# Altium PCB jetson-nano-0928-12.PcbDoc (part 1 of 6)
Units mil, origin at the board's own origin, x right, y up, seen from the top; angles counter-clockwise.
Board outline 3946.89 x 2559.58 mil, 6 copper layers (TOP, L2_GND, L3_PWR, L4_SIG, L5_GND, BOTTOM), stack 47.2 mil thick; 344 components, 315 nets, 1402 pads, 1004 vias.
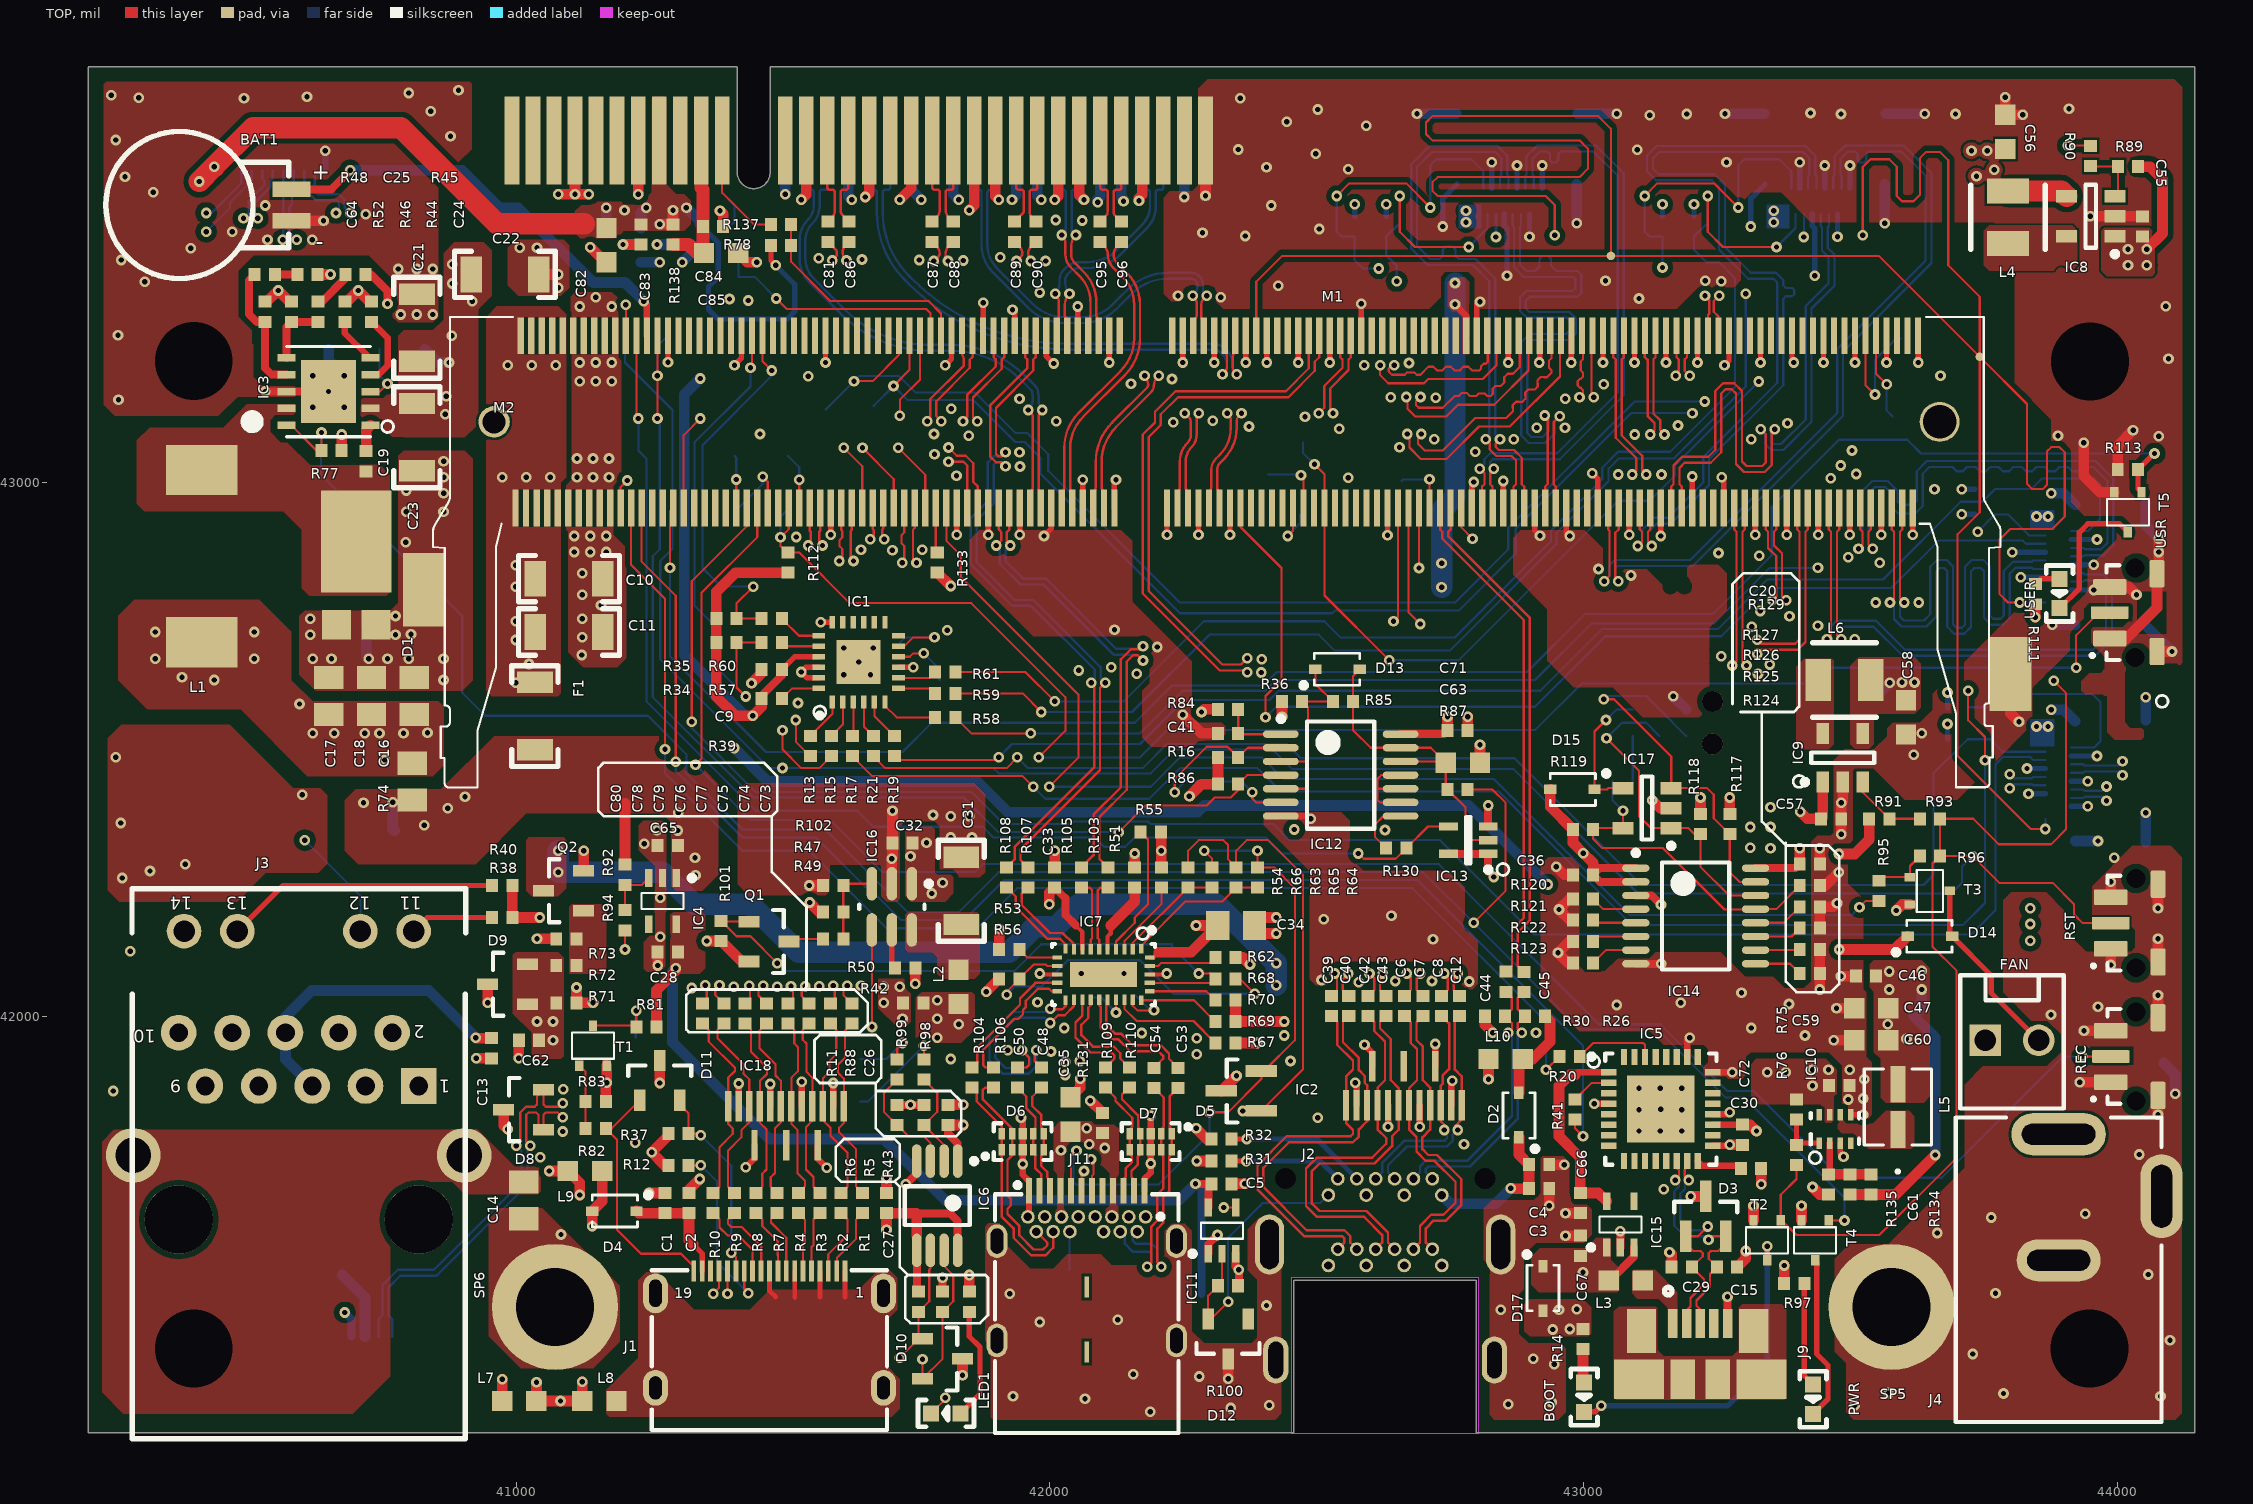
[diagram p0: TOP view]
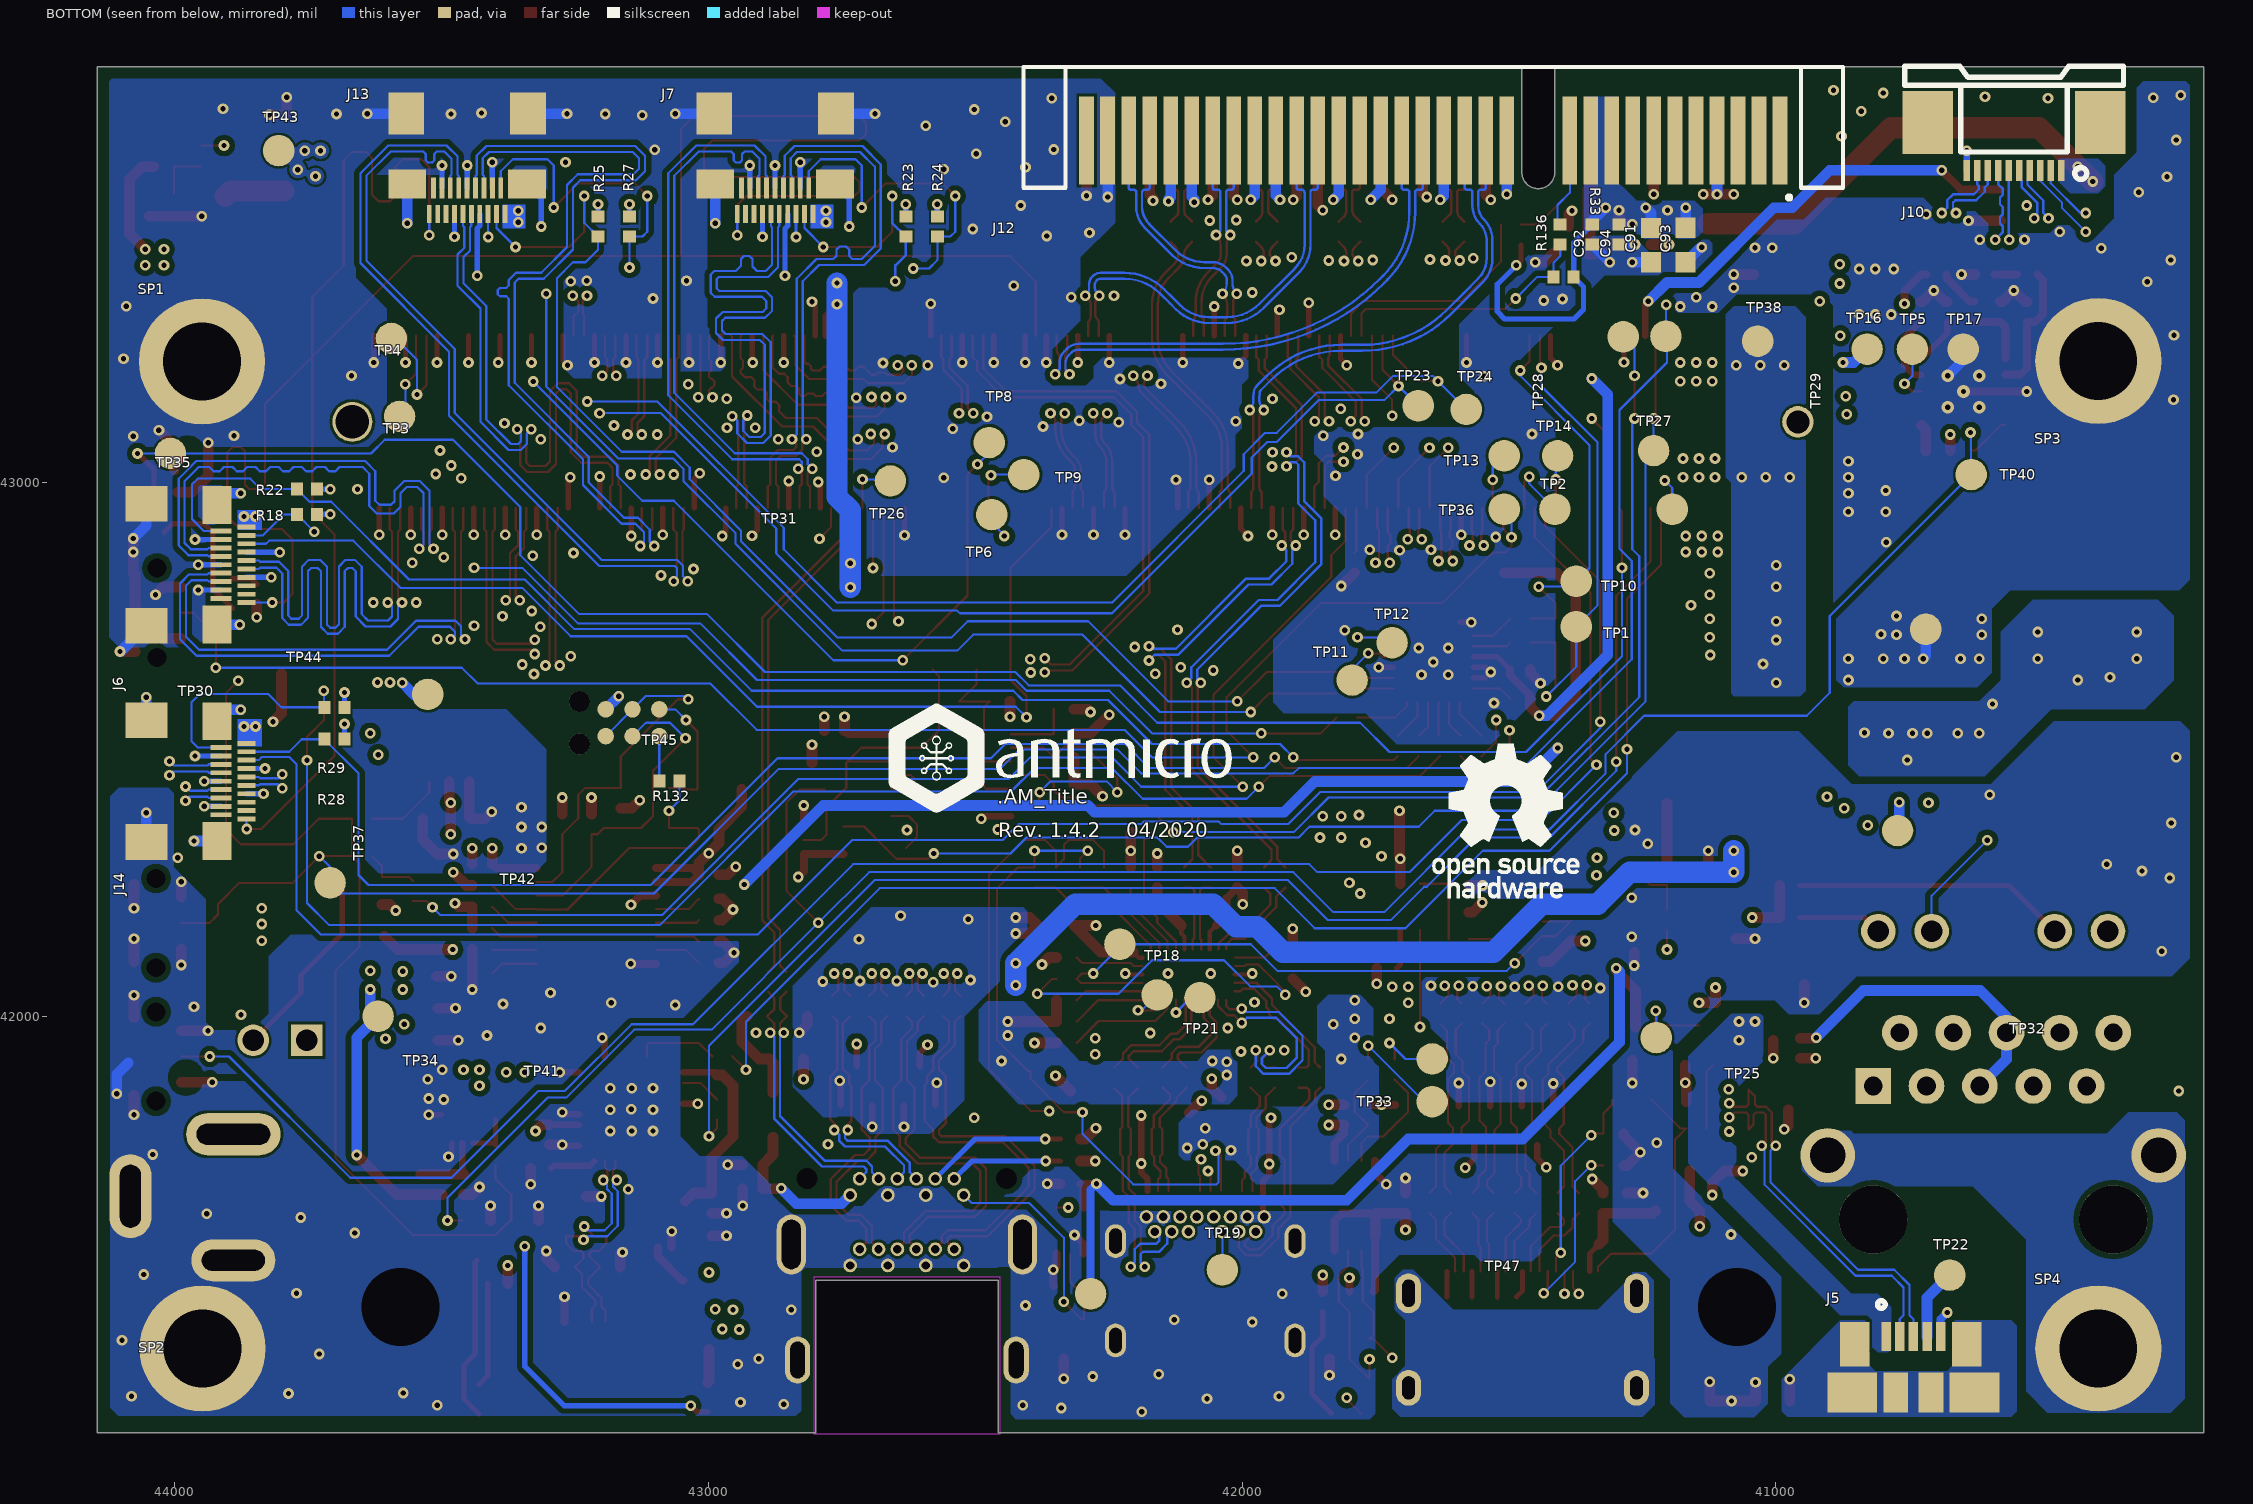
[diagram p1: BOTTOM view, seen from below]
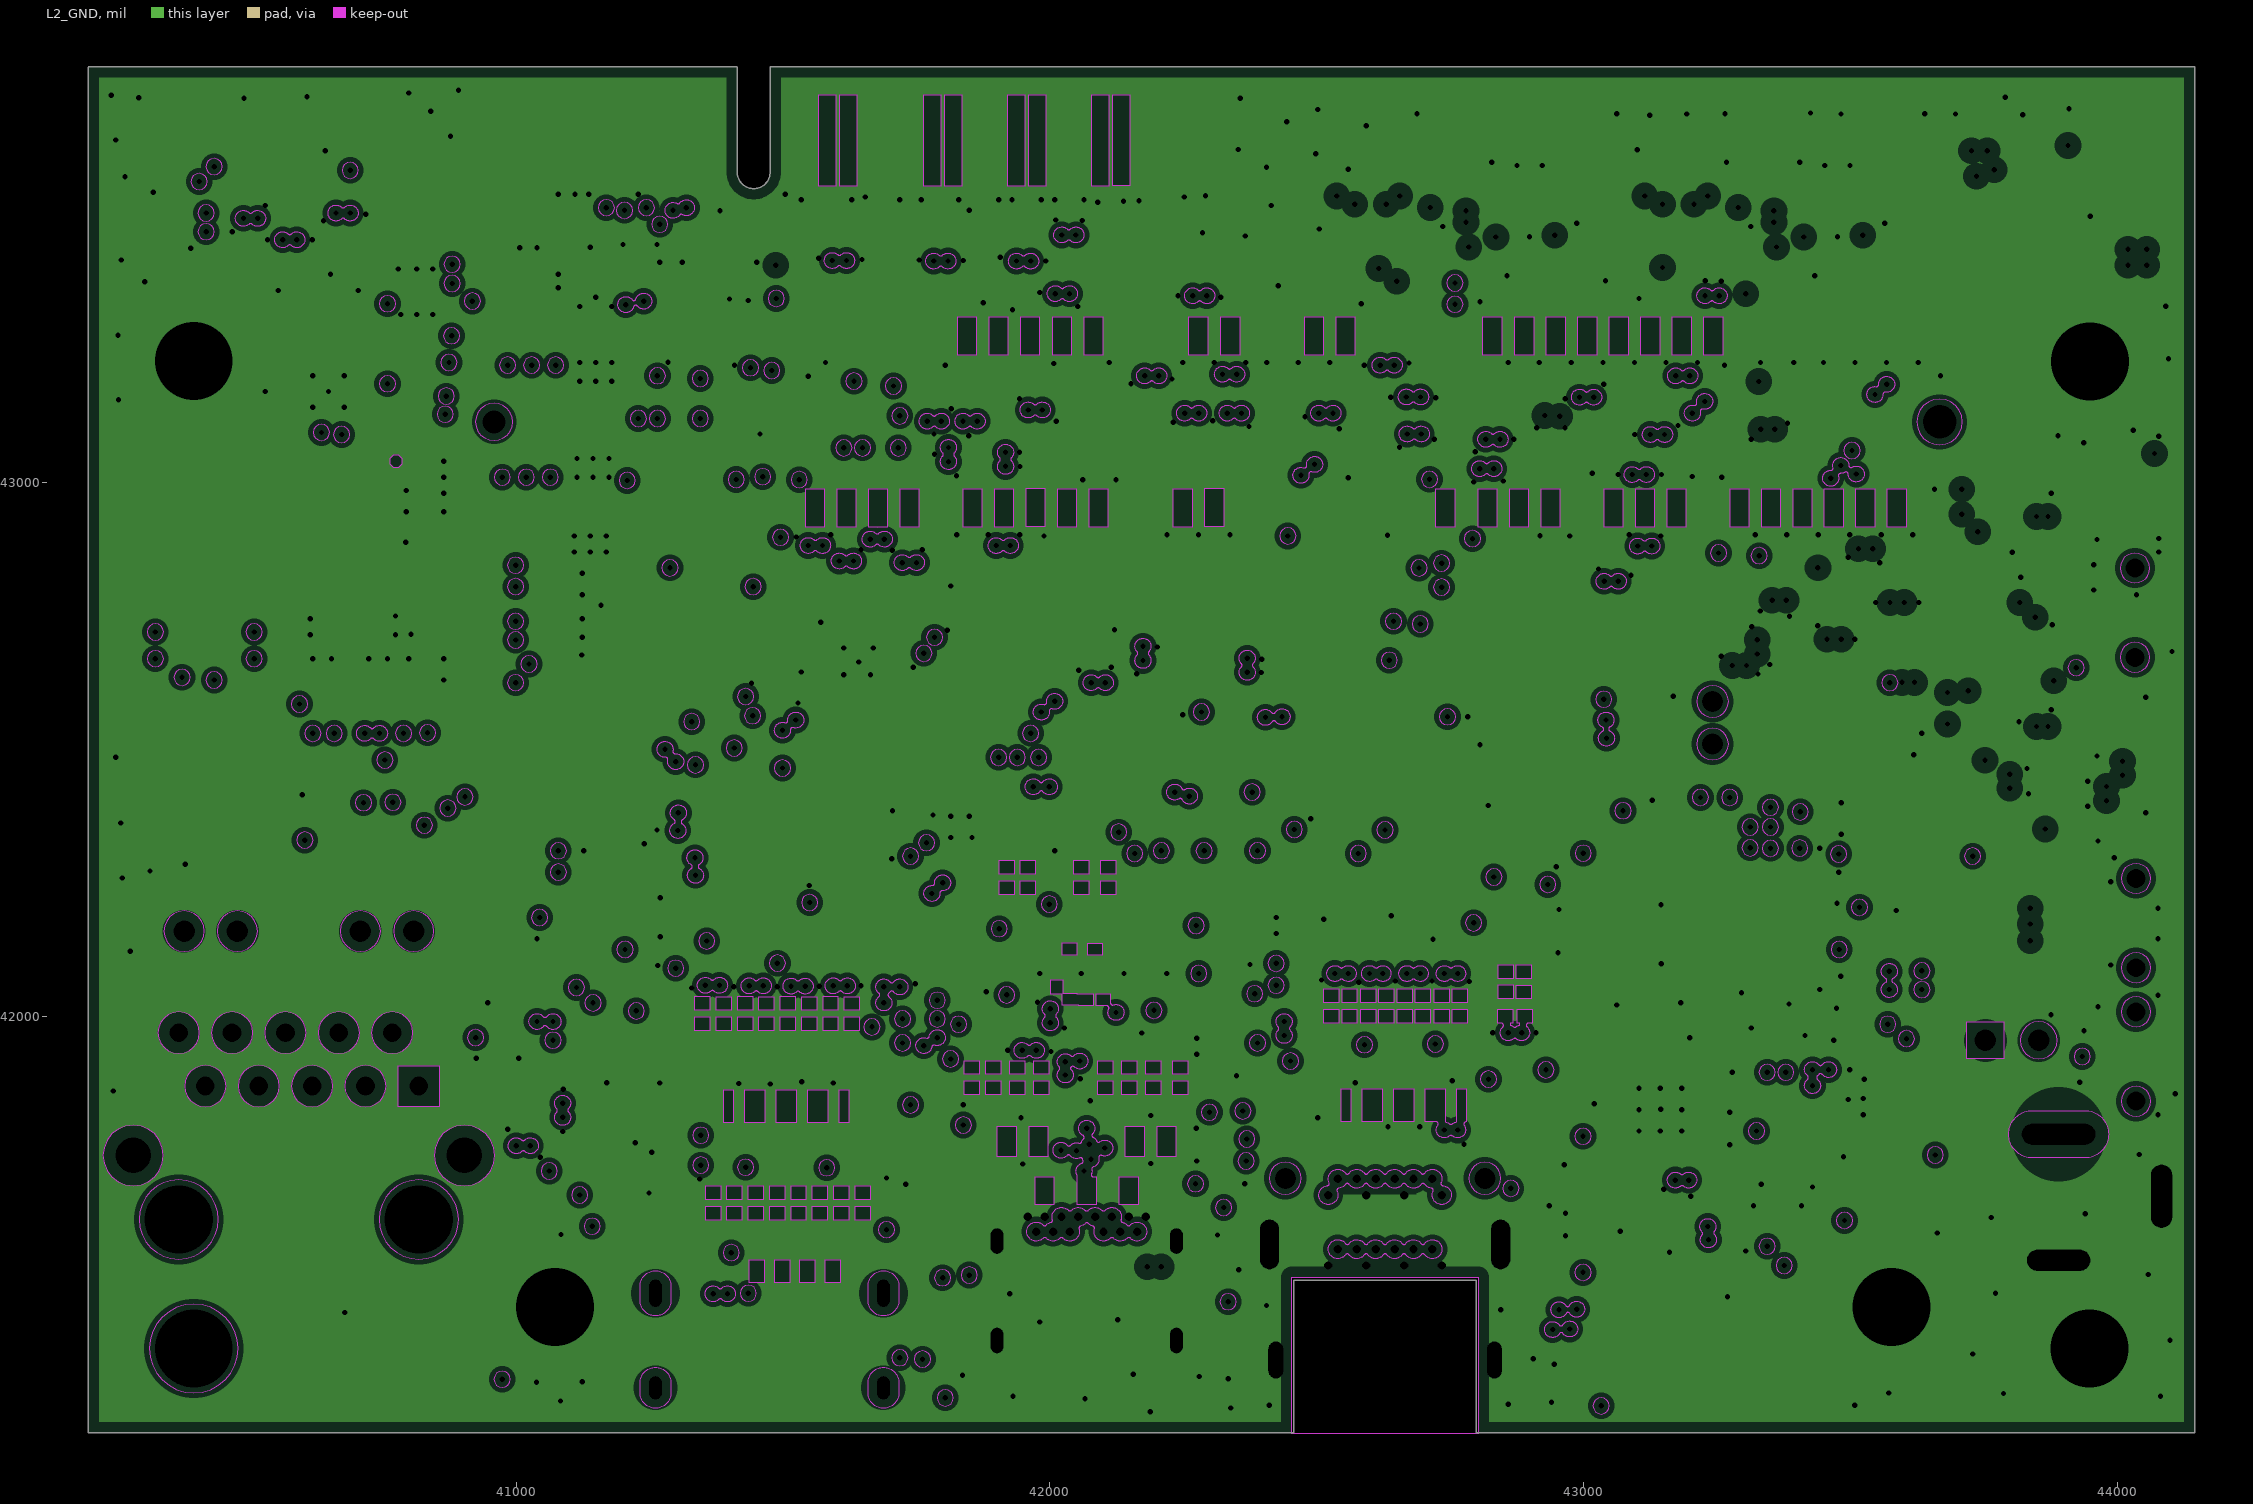
[diagram p2: L2_GND, clearances drawn from the general rule]
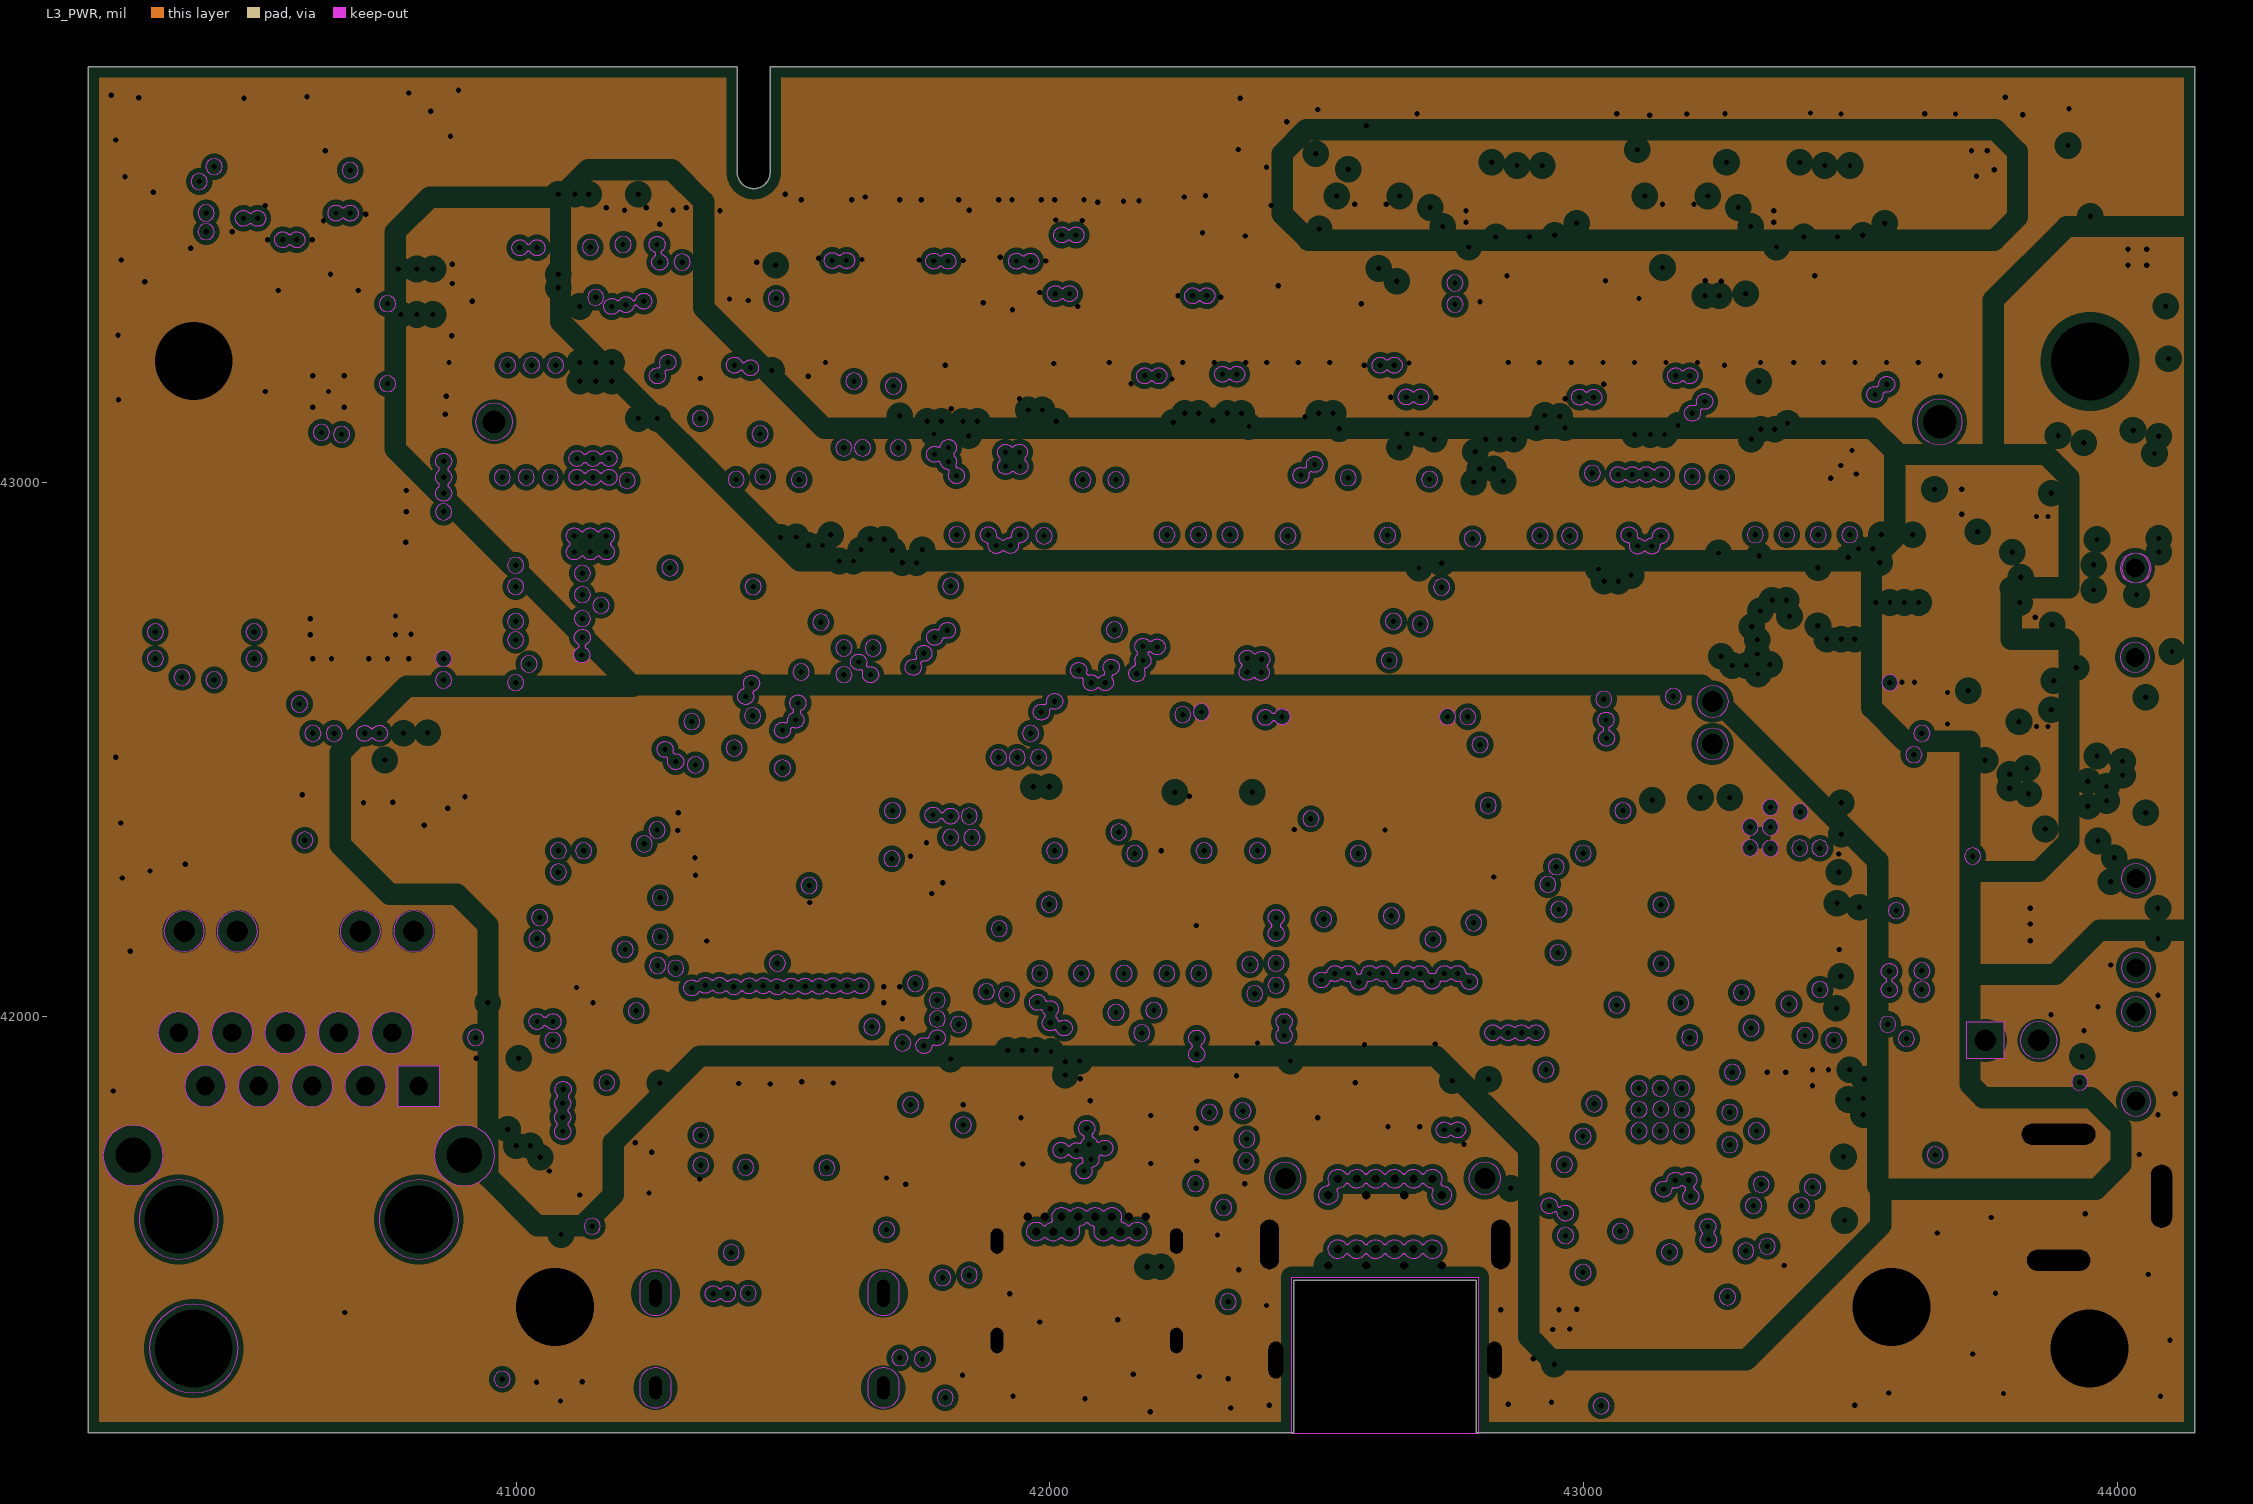
[diagram p3: L3_PWR, clearances drawn from the general rule]